# Altium PCB PROC114E3_BRD.PcbDoc (part 14 of 18)
Units mm, origin at the board's own origin, x right, y up, seen from the top; angles counter-clockwise.
Board outline 85 x 155.18 mm, 10 copper layers (TOP, L02_GND1, L03_SIG1, L04_GND2, L05_PWR1, L06_PWR2, L07_GND3, L08_SIG2, L09_GND4, BOTTOM), stack 1.134 mm thick; 1389 components, 1010 nets, 5137 pads, 3263 vias.
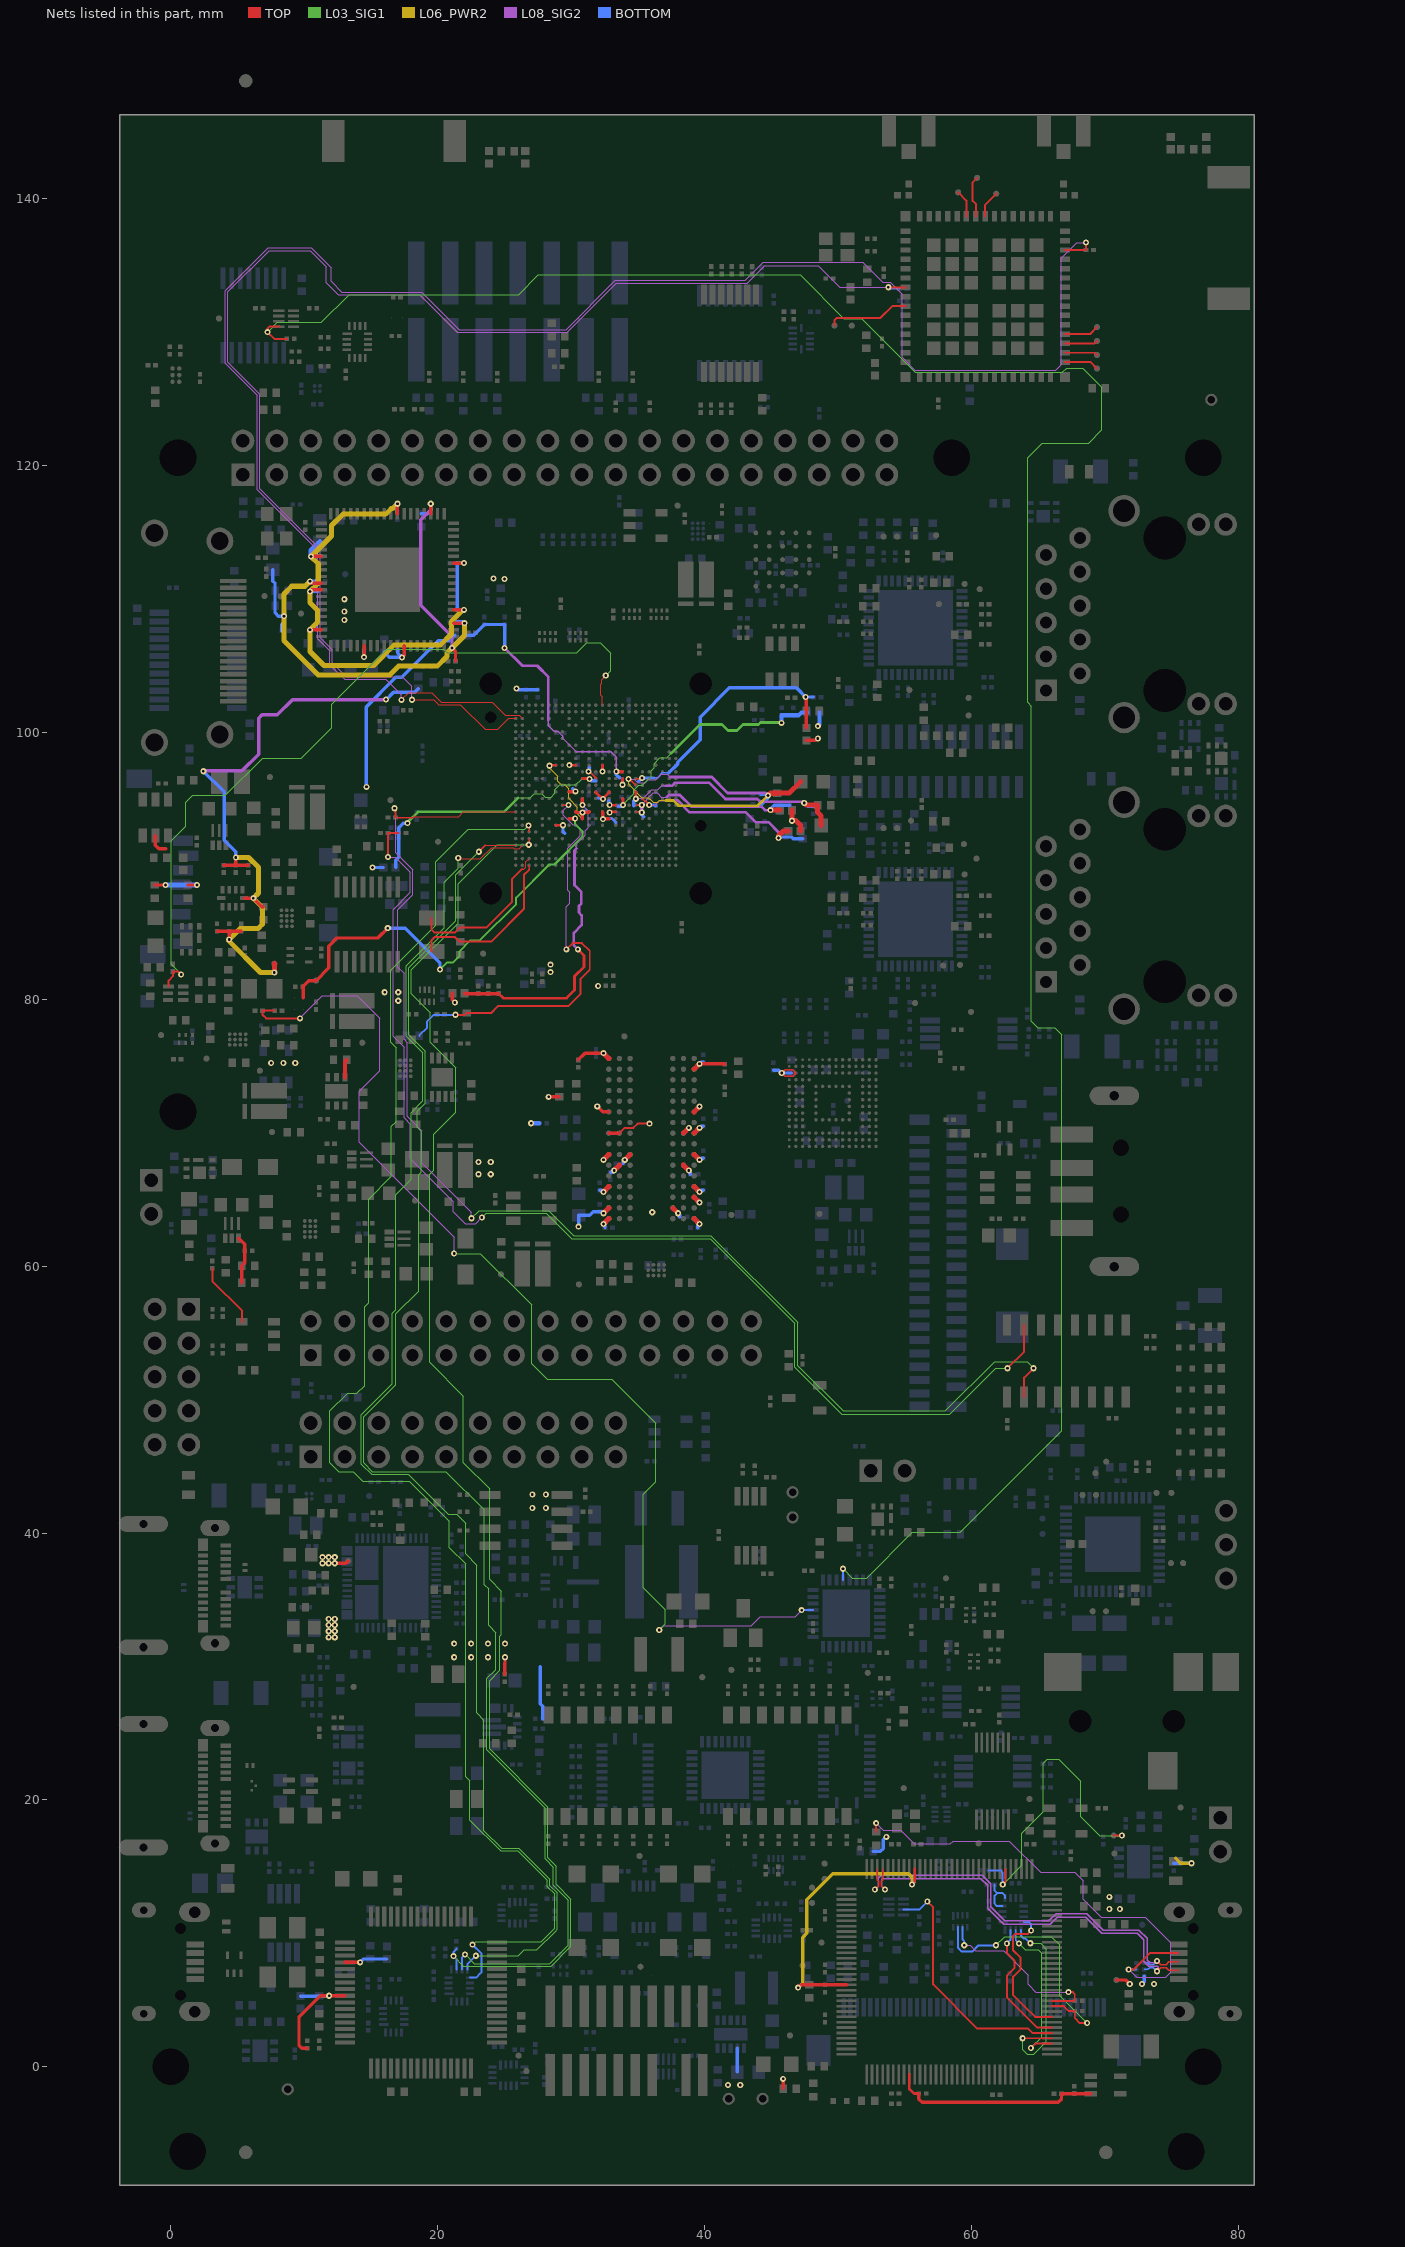
[diagram p22: the nets of this part, all layers, seen from the top]

## Via types
v1: diameter 0.457, hole 0.203, TOP to BOTTOM, 3263 vias

## Nets (pads, with @x,y where several pads share a name; then routed paths per layer and width w, separated by ;. In a path a pad name is that pad's centre, name@x,y a point inside that pad or via, vN(x,y) a via of type N, cw(c..) or ccw(c..) an arc to the next point about the centre after c; other vN are vias at no path point) (continued)
VDD_DDR4:  | length 29.8
  TOP w0.152: v1@32.396,93.509 v1(32.405,93.5) ; 33.634,69.966 34.034,70.366 34.675,70.366 34.992,70.683 v1(35.881,70.683)
  TOP w0.254: v1(28.325,72.688) 29.119,72.688 ; 30.36,94.045 30.403,94.002 v1(30.86,94.002) ; 30.547,75.459 31.054,75.966 v1(32.434,75.966) ; 30.86,93.545 v1(30.86,94.002) ; 31.361,94.045 31.331,94.016 30.874,94.016 v1(30.86,94.002) ; v1(31.97,71.979) 32.383,71.566 32.834,71.566 ; 32.36,94.045 32.396,94.009 v1@32.396,93.509 ; v1(32.405,93.5) 32.411,93.5 32.456,93.545 32.86,93.545 ; 32.834,69.966 33.634,69.966 ; v1(39.634,75.165) 41.49,75.165 41.52,75.135
  TOP w0.381: v1(32.434,63.165) 32.834,63.566 ; v1(32.434,63.966) 32.834,64.366 ; v1(32.434,65.566) 32.834,65.966 ; v1(32.434,67.966) 32.834,68.366 ; v1(32.434,75.966) 32.834,75.566 ; v1(33.234,67.165) 33.634,67.566 ; v1(34.034,67.966) 34.434,68.366 ; 37.634,64.366 v1(38.034,63.966) ; 38.434,67.566 v1(38.834,67.165) ; 38.434,69.966 v1(38.834,70.366) ; 39.234,63.566 v1(39.634,63.165) ; 39.234,65.165 v1(39.634,64.765) ; 39.234,65.966 v1(39.634,65.566) ; 39.234,68.366 v1(39.634,67.966) ; 39.234,69.966 v1(39.634,70.366) ; 39.234,71.566 v1(39.634,71.966) ; 39.234,74.765 v1(39.634,75.165)
  BOTTOM w0.203: v1(32.405,93.5) 32.411,93.5 32.456,93.545 33.066,93.545 33.361,93.25
  BOTTOM w0.254: v1(30.573,62.962) 30.573,63.812 31.391,63.812 31.664,64.085 32.159,64.085 32.314,64.085 v1(32.434,63.966) ; v1(30.86,94.002) 30.986,94.002 31.126,94.143 ; 32.159,65.685 32.314,65.685 v1(32.434,65.566) ; v1(32.434,63.165) 32.554,63.046 32.554,62.891 ; 32.96,67.046 33.114,67.046 v1(33.234,67.165) ; 33.914,67.691 33.914,67.845 v1(34.034,67.966) ; v1(38.034,63.966) 38.154,63.845 38.154,63.691 ; v1(38.834,67.165) 38.954,67.046 38.954,66.891 ; 39.514,62.891 39.514,63.046 v1(39.634,63.165) ; v1(39.634,65.566) 39.754,65.685 39.908,65.685 ; v1(39.634,67.966) 39.754,68.085 39.908,68.085 ; v1(39.634,70.366) 39.754,70.486 39.908,70.486 ; v1(39.634,75.165) 39.754,75.286 39.908,75.286
  BOTTOM w0.305: v1(27.017,70.709) 27.626,70.709
  other v1: 36.095,64.044 23.077,66.888 23.992,66.888 23.077,67.803 23.992,67.803 32.041,80.99 28.471,82.037 28.471,82.596
VDD_MMC1:  | length 1.6
  TOP w0.254: -1.143,92.265 -1.143,91.54 -0.875,91.272 -0.367,91.272
VDD_MMC1_SD:  | length 3.9
  TOP w0.254: -1.19,88.567 v1(-0.39,88.567) ; 1.274,88.567 v1(1.973,88.567)
  BOTTOM w0.381: v1(-0.39,88.567) 0.741,88.567 v1(1.973,88.567)
VDDA1V8:  | length 1.3
  TOP w0.305: 13.075,74.154 13.075,75.347 13.183,75.456
VDDA_1V8:  | length 27.8
  TOP w0.203: v1(28.391,97.503) 28.429,97.503 28.471,97.545 28.86,97.545 ; 28.86,93.045 v1(29.403,93.045) ; v1(32.901,94.002) 33.008,94.002 33.051,94.045 33.361,94.045
  TOP w0.254: 21.114,80.452 21.114,79.95 v1(21.298,79.766) ; 47.642,99.408 48.358,99.408 v1(48.503,99.553)
  TOP w0.381: 46.565,94.172 v1(46.565,93.384) 46.873,93.384 47.21,93.048 47.21,92.619
  L06_PWR2 w0.081: v1(28.391,97.503) 28.391,97.338 29.01,96.719 29.01,96.357 29.271,96.096 29.519,96.096 29.821,95.794 29.821,95.06 30.472,94.408 30.472,93.89 30.828,93.534
  BOTTOM w0.254: v1(14.67,95.921) 14.65,95.94 14.65,101.905 16.873,104.128 17.328,104.128 20.064,106.863 20.894,106.863 21.307,107.276 ; v1(15.127,89.875) 15.937,89.875 ; v1(29.403,93.045) 29.403,92.568 29.542,92.429
  BOTTOM w0.305: v1(48.503,100.467) 48.621,100.586 48.621,101.507
  other v1: 17.054,79.893 16.038,80.528 17.054,80.528
VDDA_1V8_CSIRX:  | length 20.2
  TOP w0.102: 34.86,96.545 35.275,96.545 v1(35.317,96.587)
  TOP w0.254: v1(47.588,102.652) 47.616,102.652 47.642,102.626 47.642,101.608 47.642,100.328
  BOTTOM w0.102: 36.206,96.587 36.225,96.606 36.488,96.606 36.844,96.962 37.327,96.962
  BOTTOM w0.254: 35.065,96.341 35.311,96.587 v1(35.317,96.587) 36.206,96.587 ; 37.327,96.962 37.998,97.634 37.998,97.765 39.676,99.442 39.676,101.14 41.873,103.337 46.902,103.337 v1(47.588,102.652) 48.172,102.652
VDDA_1V8_MCU:  | length 24.8
  TOP w0.203: 24.578,80.429 24.927,80.081 29.666,80.081 30.265,80.681 30.265,81.727 30.972,82.433 30.972,83.285 v1(30.515,83.743)
  TOP w0.254: 22.034,80.452 22.056,80.429 23.054,80.429 23.816,80.429 24.578,80.429 ; v1(30.86,94.561) 30.85,94.572 30.85,95.034 30.86,95.045
  L08_SIG2 w0.081: 30.409,91.298 30.409,91.632 31.056,92.278 31.056,92.632 31.279,92.855 31.279,94.143 v1(30.86,94.561)
  L08_SIG2 w0.203: 30.409,91.298 30.265,91.154 30.265,88.555 30.779,88.041 30.779,87.186 30.596,87.003 30.596,86.497 30.799,86.294 30.799,85.557 30.215,84.973 30.215,84.043 v1(30.515,83.743)
VDDA_1V8_OLDI:  | length 15
  TOP w0.102: 34.86,94.045 35.243,94.045 35.286,94.002 v1(35.308,94.002) ; 34.86,94.545 35.287,94.545 v1(35.302,94.561)
  TOP w0.381: v1(44.959,94.172) 45.645,94.172
  L08_SIG2 w0.081: 35.682,94.94 35.682,94.991 36.171,95.48 36.454,95.48 36.775,95.159 37.187,95.159
  L08_SIG2 w0.091: v1(35.302,94.561) 35.682,94.94
  L08_SIG2 w0.203: 37.187,95.159 37.339,95.311 38.152,95.311 39.028,94.435 44.265,94.435 44.527,94.172 v1(44.959,94.172)
  L08_SIG2 w0.254: v1(35.302,94.561) 35.302,94.007 v1(35.308,94.002)
  BOTTOM w0.254: v1(35.308,94.002) 35.308,93.815 35.448,93.674 ; v1(44.959,94.172) 44.959,94.285 45.228,94.554 45.651,94.554 46.413,94.554
VDDA_1V8_USB:  | length 15.4
  TOP w0.102: 35.361,95.045 35.575,94.83 35.592,94.83 v1(35.861,94.561)
  TOP w0.381: v1(45.556,92.095) 45.556,92.238 45.937,92.619 46.29,92.619
  L08_SIG2 w0.081: v1(35.861,94.561) 36.289,94.561 36.626,94.897 37.504,94.897
  L08_SIG2 w0.203: 37.504,94.897 38.017,94.897 38.899,94.016 43.108,94.016 43.844,93.279 44.795,93.279 45.556,92.518 v1(45.556,92.095)
  BOTTOM w0.254: v1(35.861,94.561) 36.31,94.561 36.362,94.509 36.371,94.509 ; v1(45.556,92.095) 45.622,92.161 46.102,92.161 46.547,92.161 46.674,92.034 47.365,92.034
VDDA_CORE_CSI:  | length 28.6
  TOP w0.102: v1(34.316,96.502) 34.403,96.502 34.86,96.045
  TOP w0.381: v1(44.769,95.274) 44.939,95.445 45.456,95.445 45.467,95.456 46.365,95.456 47.213,96.304
  L06_PWR2 w0.081: v1(34.316,96.502) 34.316,96.112 35.32,95.108 35.803,95.108 35.999,94.911 36.007,94.911 36.166,94.752 36.17,94.752 36.173,94.75 36.511,94.75 36.666,94.905 37.098,94.905
  L06_PWR2 w0.203: 37.098,94.905 37.682,94.905 38.079,94.507 43.991,94.507 44.757,95.274 v1(44.769,95.274)
  L08_SIG2 w0.081: v1(34.316,96.502) 34.738,96.502 35.004,96.237 35.576,96.237 35.778,96.439 36.341,96.439 36.754,96.851 37.234,96.851 37.428,96.657
  L08_SIG2 w0.203: 37.428,96.657 40.552,96.657 41.746,95.463 44.58,95.463 v1(44.769,95.274)
  BOTTOM w0.254: 44.21,94.617 44.289,94.617 44.769,95.096 v1(44.769,95.274) 44.676,95.367 44.221,95.367 44.21,95.379
VDDA_CORE_USB:  | length 18.3
  TOP w0.203: v1(34.86,95.029) 34.86,95.545
  TOP w0.381: v1(47.487,94.716) 47.656,94.547 48.491,94.547 48.491,94.002 48.745,93.748 48.745,93.025
  L08_SIG2 w0.081: v1(34.86,95.029) 34.899,95.067 35.42,95.067 36.06,95.707 36.51,95.707 36.8,95.997 37.073,95.997
  L08_SIG2 w0.203: 37.073,95.997 37.581,95.997 37.817,96.233 40.342,96.233 41.568,95.006 43.981,95.006 44.185,94.803 47.4,94.803 v1(47.487,94.716)
  BOTTOM w0.254: 34.714,94.501 34.714,94.882 v1(34.86,95.029) ; v1(47.487,94.716) 47.729,94.473 48.147,94.473
VDDA_PLL0:  | length 18.9
  TOP w0.254: 33.86,95.045 33.903,95.002 v1(33.903,94.561)
  L03_SIG1 w0.081: v1(33.903,94.561) 33.903,94.606 34.715,95.418 34.715,95.671 35.091,96.048 35.345,96.048 36.014,96.716 36.014,97.145 36.227,97.358 36.227,97.666 36.666,98.105 37.174,98.105 37.504,98.435
  L03_SIG1 w0.203: 37.504,98.435 39.663,100.594 41.314,100.594 41.772,100.137 42.432,100.137 42.889,100.594 44.058,100.594 44.21,100.747 45.759,100.747 v1(45.785,100.721)
  BOTTOM w0.254: 33.533,94.482 33.781,94.482 33.86,94.561 v1(33.903,94.561)
  BOTTOM w0.305: v1(45.785,100.721) 45.785,101.286 46.674,101.286 47.06,101.286 47.281,101.507 47.701,101.507
VDDA_PLL1:  | length 21
  TOP w0.254: v1(33.402,97.065) 33.422,97.045 33.86,97.045
  L08_SIG2 w0.114: 28.303,100.92 28.303,100.526 28.739,100.089 29.02,100.089 29.371,99.739 29.371,99.574 30.409,98.536 33.022,98.536 33.402,98.156 v1(33.402,97.065)
  L08_SIG2 w0.203: v1(25.025,106.334) 26.361,104.998 27.472,104.998 28.303,104.167 28.303,100.92
  BOTTOM w0.254: 22.227,107.276 22.724,107.276 23.501,108.054 23.501,108.088 25.025,108.088 v1(25.025,106.334) ; v1(33.402,97.065) 33.402,96.833 33.649,96.586
VDDA_PLL2:  | length 20.4
  TOP w0.203: 30.86,96.545 31.353,96.545 v1(31.393,96.505)
  L03_SIG1 w0.081: 26.024,95.093 26.948,95.093 27.253,95.397 27.817,95.397 28.06,95.154 28.506,95.154 28.792,95.44 28.792,95.717 29.158,96.083 30.37,96.083 30.791,96.505 v1(31.393,96.505)
  L03_SIG1 w0.203: v1(17.75,93.201) 17.75,93.267 18.528,94.045 24.976,94.045 26.024,95.093
  BOTTOM w0.254: 16.857,89.875 16.857,90.412 17.081,90.636 17.081,92.104 17.081,92.866 17.417,93.201 v1(17.75,93.201) ; v1(31.393,96.505) 31.519,96.379 31.859,96.379
VDDA_SYS_MON:  | length 32.1
  TOP w0.102: 29.361,94.545 29.803,94.545 v1(29.82,94.561)
  TOP w0.147: v1(21.35,78.839) 22.038,78.839 22.173,78.974 24.012,78.974 24.525,79.487 29.783,79.487 30.723,80.427 30.723,81.531 31.408,82.217 31.408,83.627 30.824,84.211 30.12,84.211 v1(29.651,83.743)
  L08_SIG2 w0.091: v1(29.651,83.743) 29.651,86.924 29.922,87.196 29.922,88.008 29.757,88.174 29.757,91.331 30.7,92.273 30.7,92.768 30.382,93.086 30.141,93.086 29.427,93.799 29.427,94.169 v1(29.82,94.561)
  BOTTOM w0.147: 18.64,77.252 18.64,77.29 19.216,77.867 19.216,78.344 19.712,78.839 v1(21.35,78.839)
VDDC_1V2:  | length 21.8
  TOP w0.203: v1(55.558,13.656) 55.758,13.856 55.758,14.837
  TOP w0.254: v1(47.029,5.928) 47.238,6.137 47.868,6.137 49.036,6.137 50.658,6.137
  L06_PWR2 w0.254: v1(47.029,5.928) 47.36,6.259 47.36,9.688 47.664,9.992 47.664,12.507 49.62,14.463 55.304,14.463 55.558,14.209 v1(55.558,13.656)
  BOTTOM w0.254: v1(55.558,13.656) 55.741,13.84 55.741,14.228
VDDIM:  | length 3.9
  TOP w0.102: v1(45.8,74.472) 46.05,74.222 46.61,74.222 46.86,74.472 46.61,74.722 46.05,74.722 v1(45.8,74.472)
  BOTTOM w0.254: 45.175,74.683 45.589,74.683 v1(45.8,74.472) 46.499,74.472
VDDR_CORE:  | length 7.7
  TOP w0.152: v1(31.317,97.065) 31.408,97.065 31.86,96.612 31.86,96.545
  TOP w0.203: v1(29.88,97.545) 30.36,97.545 ; 31.86,95.545 31.86,95.494 31.941,95.413 v1(32.402,95.016) 32.415,95.048 32.86,95.493 32.86,95.545 ; v1(32.36,97.065) 32.36,97.545 ; v1(32.901,94.561) 32.917,94.545 33.361,94.545 ; v1(33.86,96.082) 33.86,96.545
  TOP w0.254: 29.86,95.545 30.299,95.545 v1(30.342,95.588)
  BOTTOM w0.254: v1(25.925,103.297) 26.031,103.19 26.631,103.19 27.52,103.19 ; 30.136,95.784 30.146,95.784 v1(30.342,95.588) ; v1(31.317,97.065) 31.368,97.116 31.368,97.362 ; 32.071,95.117 32.377,95.117 v1(32.402,95.016) ; 32.833,94.889 32.833,94.629 v1(32.901,94.561)
  other v1: 7.532,75.232 8.447,75.232 9.336,75.232 13.019,108.429 13.019,109.064 13.019,109.979 25.019,111.506 24.191,111.537
VDDR_CORE_EN:  | length 4.9
  TOP w0.147: 3.129,59.836 3.129,58.884 5.332,56.681 5.332,55.831
VDDR_CORE_FB:  | length 3.6
  TOP w0.254: 5.085,62.099 5.555,61.629 5.555,61.169 5.555,60.241 5.339,60.024 5.339,58.754
VDDSHV_SDIO:  | length 49.1
  TOP w0.254: 3.472,85.099 4.387,85.099 ; 3.972,90.054 4.887,90.054 ; v1(4.387,84.487) 4.387,85.099 ; v1(4.887,90.634) 4.887,90.054 ; 5.301,85.099 4.387,85.099 ; 5.497,87.577 v1(6.195,87.577) 6.827,86.945 6.93,86.945 ; 5.801,90.054 4.887,90.054
  TOP w0.381: v1(7.774,82.005) 7.774,82.666
  L06_PWR2 w0.381: v1(4.887,90.634) 5.834,90.634 6.58,89.888 6.58,87.961 v1(6.195,87.577) 6.872,86.9 6.872,85.621 6.542,85.291 5.191,85.291 v1(4.387,84.487) 4.387,84.359 6.741,82.005 v1(7.774,82.005)
  L08_SIG2 w0.254: v1(2.452,97.089) 2.478,97.114 5.348,97.114 6.591,98.358 6.591,101.077 6.846,101.331 8.002,101.331 9.132,102.461 v1(16.14,102.461)
  BOTTOM w0.254: v1(2.452,97.089) 4.002,95.54 4.002,91.933 4.887,91.048 v1(4.887,90.634) ; v1(16.14,102.461) 16.7,103.021 18.293,103.021 18.556,103.284
VHDMI_AVCC_1V2:  | length 4.6
  TOP w0.254: v1(14.495,105.639) 14.495,106.49 ; v1(17.337,105.623) 17.495,105.781 17.495,106.49
  BOTTOM w0.254: v1(14.495,105.639) 14.495,106.21 ; 15.995,106 16.371,105.623 v1(17.337,105.623) 17.011,105.949 17.011,106.21
VHDMI_CVCC_1V2:  | length 44.2
  TOP w0.254: v1(10.444,107.69) 11.295,107.69 ; v1(10.444,110.559) 10.575,110.69 11.295,110.69 ; v1(10.522,113.19) 11.295,113.19 ; 16.995,116.39 v1(16.995,117.139) ; 21.195,109.19 v1(21.982,109.19) ; 21.195,112.69 v1(21.984,112.69)
  L06_PWR2 w0.381: v1(16.995,117.139) 16.626,116.771 16.525,116.771 16.111,116.357 12.907,116.357 12.049,115.499 12.049,114.717 v1(10.522,113.19) 11.063,112.649 11.063,111.178 v1(10.444,110.559) 10.444,109.722 11.012,109.154 11.012,108.258 v1(10.444,107.69) 10.444,106.065 11.495,105.014 15.203,105.014 16.727,106.538 20.213,106.538 21.052,107.377 21.052,108.327 21.915,109.19 v1(21.982,109.19)
  BOTTOM w0.254: v1(10.444,107.69) 10.495,107.741 11.015,107.741 ; v1(10.444,110.559) 10.448,110.563 11.015,110.563 ; v1(10.522,113.19) 11.295,113.19 ; 16.995,116.492 v1(16.995,117.139) ; v1(21.982,109.19) 21.474,109.19 21.474,112.69 v1(21.984,112.69)
  BOTTOM w0.381: v1(10.522,113.19) 10.522,113.639 11.18,114.297
VHDMI_IOVCC_3V3:  | length 46.1
  TOP w0.254: v1(10.444,111.321) 10.575,111.19 11.295,111.19 ; v1(19.493,117.139) 19.494,117.138 19.494,116.39 ; v1(21.082,106.334) 21.351,106.065 21.351,105.344 ; 21.195,108.19 v1(22.014,108.19)
  L06_PWR2 w0.381: v1(10.444,111.321) 10.075,110.953 9.077,110.953 8.49,110.366 v1(8.49,108.715) 8.49,106.875 11.063,104.303 16.422,104.303 17.083,104.963 19.98,104.963 20.714,105.696 20.714,105.965 v1(21.082,106.334) 22.014,107.265 v1(22.014,108.19)
  L08_SIG2 w0.254: v1(19.493,117.139) 19.493,116.682 18.754,115.943 18.754,109.528 21.082,107.2 v1(21.082,106.334)
  BOTTOM w0.254: 7.665,112.191 7.665,111.33 7.822,111.173 7.822,110.627 7.822,109.484 7.822,108.965 8.073,108.715 v1(8.49,108.715) 8.49,108.258 8.319,108.087 8.319,107.63 ; v1(10.444,111.321) 11.011,111.321 11.015,111.325 ; 18.773,116.397 19.241,116.397 19.493,116.65 v1(19.493,117.139) ; 21.474,108.317 21.887,108.317 v1(22.014,108.19)
VMAIN:  | length 8.1
  TOP w0.254: v1(12.295,37.738) 13.143,37.738 13.31,37.905 ; 25.049,29.414 25.049,30.227 25.058,30.236 v1(25.058,30.693)
  BOTTOM w0.254: 27.71,29.97 27.71,27.205 27.889,27.025 27.889,26.081 ; 42.475,-0.396 42.475,1.373
  other v1: 41.772,-1.361 42.686,-1.361 21.248,30.693 22.518,30.693 23.788,30.693 21.248,31.709 22.518,31.709 23.788,31.709 25.058,31.709 11.838,32.185 12.295,32.185 11.838,32.642 12.295,32.642 11.838,33.1 12.295,33.1 11.838,33.557 12.295,33.557 11.381,37.738 11.838,37.738 11.381,38.195 11.838,38.195 12.295,38.195 27.103,41.869 28.119,41.869 27.103,42.885 28.119,42.885
VPHY_3V3_FT4232:  | length 3.3
  TOP w0.254: 13.059,7.823 v1(14.198,7.823)
  BOTTOM w0.254: v1(14.198,7.823) 14.454,8.079 14.947,8.079 16.217,8.079
VPLL_3V3_FT4232:  | length 9.1
  TOP w0.254: 10.25,1.381 9.844,1.381 9.615,1.61 9.615,3.719 11.219,5.323 v1(11.878,5.323) 13.059,5.323
  BOTTOM w0.254: 9.732,5.293 11.099,5.293 11.129,5.323 v1(11.878,5.323)
VPP_1V8:  | length 32.8
  TOP w0.254: 9.942,80.098 9.942,80.882 9.89,80.935 10.352,81.396 10.895,81.396 11.85,82.352 11.85,83.983 12.46,84.592 15.533,84.592 v1(16.27,85.329) ; 29.86,93.545 v1(30.318,93.545)
  L03_SIG1 w0.152: v1(20.182,82.23) 20.715,82.763 21.172,82.763 21.629,83.221 21.629,83.576 22.466,84.412 23.177,84.412 25.897,87.132 25.897,87.615 28.386,90.104 28.767,90.104 30.875,92.212 30.875,92.568 30.318,93.125 v1(30.318,93.545)
  BOTTOM w0.254: v1(16.27,85.329) 17.591,85.329 20.182,82.738 v1(20.182,82.23)
VPP_LDO_EN:  | length 84.6
  TOP w0.147: 7.792,79.155 6.883,79.155 6.883,78.84 7.151,78.572 v1(9.691,78.572)
  L03_SIG1 w0.091: v1(21.246,60.945) 23.205,60.945 27.051,57.099 27.051,52.68 28.209,51.521 33.053,51.521 36.351,48.223 36.351,43.841 35.433,42.922 35.433,35.915 37.084,34.264 37.084,33.194 v1(36.615,32.725)
  L08_SIG2 w0.091: v1(9.691,78.572) 9.691,78.595 11.356,80.26 13.974,80.26 15.651,78.582 15.651,74.626 14.141,73.116 14.141,69.271 21.246,62.166 v1(21.246,60.945) ; v1(36.615,32.725) 36.946,33.056 43.52,33.056 44.19,33.726 46.795,33.726 v1(47.291,34.221)
  BOTTOM w0.147: v1(47.291,34.221) 48.142,34.221
VSEL_SD:  | length 58.2
  TOP w0.081: 32.36,102.045 32.36,102.665 32.238,102.787 32.238,103.614 32.301,103.677 32.301,103.962 v1(32.609,104.271)
  TOP w0.147: -0.155,80.952 -0.155,81.405 0.168,81.728 0.168,82.081 0.571,82.081 v1(0.787,81.864)
  L03_SIG1 w0.091: v1(0.787,81.864) 0.039,82.612 0.039,91.88 1.132,92.972 1.132,94.769 1.644,95.282 4.107,95.282 6.899,98.074 9.772,98.074 12.056,100.358 12.056,102.099 16.18,106.223 20.472,106.223 20.717,105.978 30.44,105.978 31.188,106.726 32.18,106.726 32.965,105.942 32.965,104.626 v1(32.609,104.271)
WKUP_I2C0_SCL:  | length 88.2
  TOP w0.147: v1(16.295,90.663) 16.295,92.46 17.082,92.46 ; v1(62.713,52.349) 63.958,53.595 63.958,55.593
  L03_SIG1 w0.091: v1(23.318,63.65) 23.636,63.967 28.157,63.967 30.065,62.06 40.428,62.06 46.761,55.726 46.761,52.426 50.292,48.895 58.398,48.895 61.853,52.349 v1(62.713,52.349)
  L08_SIG2 w0.091: v1(16.295,90.663) 16.839,90.663 17.967,89.535 17.967,88.016 16.678,86.727 16.678,77.225 17.489,76.413 17.489,71.105 17.972,70.622 17.972,68.057 21.186,64.843 21.186,64.081 22.084,63.183 22.851,63.183 v1(23.318,63.65)
WKUP_I2C0_SDA:  | length 98.6
  TOP w0.081: 18.276,93.685 21.579,93.685 21.938,94.045 25.861,94.045
  TOP w0.147: v1(16.778,94.32) 16.855,94.244 16.855,93.628 16.878,93.605 18.196,93.605 18.276,93.685 ; 63.958,50.193 63.958,51.639 v1(64.668,52.349)
  L03_SIG1 w0.091: v1(22.544,63.589) 23.115,64.16 28.345,64.16 30.215,62.291 40.482,62.291 46.99,55.783 46.99,52.553 50.394,49.149 58.064,49.149 61.747,52.832 64.186,52.832 v1(64.668,52.349)
  L08_SIG2 w0.091: v1(16.778,94.32) 16.881,94.217 16.881,90.992 18.16,89.713 18.16,87.854 17.029,86.723 17.029,82.411 17.494,81.946 17.494,76.992 17.743,76.743 17.743,71.232 18.835,70.14 18.835,67.752 22.544,64.044 v1(22.544,63.589)
WKUP_LFOSCO_XI:  | length 11.8
  TOP w0.081: 26.318,89.763 26.477,89.763 26.609,89.895 26.609,90.193 26.611,90.194 26.611,90.295 26.86,90.545
  TOP w0.147: 19.552,86.096 19.552,85.222 19.775,84.999 21.299,84.999 21.673,85.372 21.711,85.372 23.654,85.372 25.566,87.284 25.566,89.012 26.318,89.763
WKUP_LFOSCO_XO:  | length 12.5
  TOP w0.102: 26.86,89.722 26.86,90.045
  TOP w0.147: 19.552,83.596 19.552,84.445 19.775,84.668 21.299,84.668 21.648,84.32 21.711,84.32 24.025,84.32 26.481,86.776 26.481,89.342 26.86,89.722
WKUP_UART0_CTS_3V3:  | length 113
  TOP w0.102: v1(26.82,93.026) 26.86,92.986 26.86,92.545
  L03_SIG1 w0.091: v1(22.62,9.154) 22.851,9.385 27.79,9.385 28.772,10.367 28.772,12.959 28.233,13.498 28.233,13.959 26.013,16.18 24.724,16.18 22.413,18.491 22.413,21.427 22.102,21.739 22.102,37.688 20.879,38.911 20.879,40.894 17.897,43.876 14.391,43.876 13.68,44.587 12.601,44.587 11.937,45.251 11.937,49.149 13.258,50.47 13.945,50.47 14.529,51.054 14.529,56.947 14.827,57.245 14.827,65.018 16.549,66.74 16.549,70.47 16.912,70.832 16.912,76.356 16.485,76.783 16.485,82.165 19.883,85.564 19.883,90.312 22.298,92.727 26.52,92.727 v1(26.82,93.026)
  BOTTOM w0.147: 22.43,6.681 22.903,6.681 23.217,6.995 23.306,7.084 23.306,8.468 v1(22.62,9.154)
WKUP_UART0_RTS_3V3:  | length 109.7
  TOP w0.081: 23.584,91.545 25.861,91.545
  TOP w0.147: v1(23.093,91.054) 23.584,91.545
  L03_SIG1 w0.091: v1(22.061,8.418) 22.742,7.737 28.427,7.737 29.799,9.108 29.799,12.479 28.691,13.586 28.691,14.953 28.071,15.573 28.071,19.383 23.708,23.746 23.708,29.099 24.357,29.748 24.357,32.537 23.822,33.073 23.822,35.814 23.495,36.141 23.495,41.732 20.625,44.602 15.126,44.602 14.477,45.251 14.477,48.702 16.876,51.101 16.876,56.424 18.581,58.129 18.581,66.838 18.793,67.049 18.793,70.116 18.48,70.429 18.48,71.613 19.094,72.227 19.094,76.103 17.856,77.342 17.856,82.368 21.375,85.887 21.375,89.336 v1(23.093,91.054)
  BOTTOM w0.147: 21.83,7.281 21.83,8.186 v1(22.061,8.418)
WKUP_UART0_RX_3V3:  | length 106.7
  TOP w0.081: v1(21.553,90.587) 21.617,90.523 23.217,90.523 24.068,91.374 25.68,91.374 25.757,91.296 26.111,91.296 26.36,91.545
  L03_SIG1 w0.091: v1(21.553,90.587) 21.553,89.819 20.512,88.778 20.512,85.354 17.663,82.506 17.663,77.23 18.901,75.992 18.901,72.39 18.023,71.511 18.023,66.507 16.885,65.369 16.885,56.737 16.612,56.464 16.612,51.197 14.284,48.87 14.284,45.171 15.056,44.399 17.805,44.399 20.803,41.402 21.437,41.402 22.098,40.742 22.098,38.43 22.93,37.598 22.93,26.52 23.473,25.976 23.473,17.704 24.804,16.373 26.093,16.373 28.426,14.039 28.426,13.578 28.965,13.039 28.965,10.287 28.852,10.174 27.451,8.773 26.506,8.773 26.049,8.316 v1(22.874,8.316)
  BOTTOM w0.147: 22.23,7.281 22.23,7.672 v1(22.874,8.316)
WKUP_UART0_TX_3V3:  | length 106.8
  TOP w0.102: v1(26.835,91.586) 26.86,91.611 26.86,92.045
  L03_SIG1 w0.091: v1(21.198,8.291) 21.944,7.544 28.507,7.544 29.879,8.915 ; v1(26.835,91.586) 24.483,91.586 21.558,88.661 21.558,85.715 18.049,82.206 18.049,80.4 19.445,79.004 19.445,76.796 21.374,74.867 21.374,71.539 19.726,69.891 19.726,67.193 19.406,66.873 19.406,52.807 21.946,50.267 21.946,45.263 23.901,43.307 23.901,36.525 24.79,35.636 24.79,32.391 24.657,32.258 24.657,29.703 23.901,28.946 23.901,23.826 28.264,19.463 28.264,15.653 28.884,15.033 28.884,13.666 29.992,12.559 29.992,9.028 29.879,8.915
  BOTTOM w0.147: 21.418,8.846 21.418,8.818 21.198,8.598 v1(21.198,8.291) 21.43,8.058 21.43,7.281
WL_GPIO4:  | length 2
  TOP w0.147: 61.041,138.679 61.041,139.547 61.875,140.381
WL_GPIO9:  | length 2.5
  TOP w0.147: 67.016,128.454 69.255,128.454 69.418,128.291
WL_GPIO10:  | length 2.5
  TOP w0.147: 67.016,129.154 69.241,129.154 69.418,129.332
WL_GPIO11:  | length 2.6
  TOP w0.147: 67.016,127.754 68.939,127.754 69.418,127.275
WL_GPIO12:  | length 2.6
  TOP w0.147: 67.016,129.854 68.899,129.854 69.418,130.373
WL_LT_EN:  | length 177.3
  TOP w0.147: 8.103,130.413 7.405,130.413 7.258,130.265 v1(7.258,130) 7.766,129.492 8.707,129.492
  L03_SIG1 w0.091: v1(7.258,130) 7.987,130.728 11.298,130.728 13.389,132.819 26.104,132.819 27.567,134.282 47.174,134.282 50.461,130.995 51.778,130.995 55.791,126.982 66.819,126.982 67.142,127.305 68.365,127.305 69.787,125.883 69.787,122.689 68.789,121.691 65.321,121.691 64.217,120.587 64.217,102.272 64.51,101.979 64.51,78.354 64.986,77.878 66.245,77.878 66.787,77.336 66.787,47.66 59.174,40.048 55.588,40.048 52.167,36.628 51.086,36.628 v1(50.392,37.322)
  BOTTOM w0.147: 50.392,36.471 v1(50.392,37.322)
WL_RS232_RX:  | length 3.1
  TOP w0.147: 60.34,138.679 60.341,139.607 60.11,139.837 60.11,141.234 60.441,141.564
WL_RS232_TX:  | length 2.1
  TOP w0.147: 59.018,140.472 59.641,139.85 59.641,139.621 59.64,138.679
WL_UART_DEBUG:  | length 6.2
  TOP w0.147: 49.749,130.484 49.749,130.888 49.921,131.059 53.188,131.059 54.083,131.954 55.065,131.954
WLAN_EN:  | length 106.7
  TOP w0.081: v1(18.087,102.453) 19.718,102.453 20.089,102.083 21.717,102.083 23.558,100.241 24.524,100.241 25.328,101.045 25.861,101.045
  TOP w0.147: v1(53.786,133.36) 53.792,133.354 55.065,133.354
  L08_SIG2 w0.091: v1(18.087,102.453) 18.087,103.457 17.369,104.174 13.162,104.174 12.128,105.209 12.128,106.189 11.226,107.091 11.226,113.72 6.669,118.276 6.669,125.358 4.293,127.734 4.293,133.024 7.381,136.112 10.45,136.112 11.647,134.915 11.647,133.717 12.556,132.808 18.679,132.808 21.489,129.997 29.722,129.997 33.392,133.668 43.201,133.668 44.523,134.99 48.528,134.99 50.158,133.36 v1(53.786,133.36)
  BOTTOM w0.147: v1(53.786,133.36) 53.887,133.259 54.623,133.259
WLAN_IRQ:  | length 136
  TOP w0.081: v1(17.297,102.443) 17.826,102.972 19.582,102.972 20.283,102.271 24.098,102.271 25.074,101.295 26.11,101.295 26.36,101.045
  TOP w0.147: 67.016,136.154 68.593,136.154 v1(68.593,136.712)
  L08_SIG2 w0.091: v1(17.297,102.443) 17.297,102.819 16.135,103.981 13.04,103.981 11.935,105.086 11.935,106.109 11.032,107.011 11.032,113.638 6.476,118.194 6.476,125.278 4.1,127.654 4.1,133.104 7.331,136.335 10.526,136.335 12.021,134.84 12.021,133.816 12.837,133.001 18.833,133.001 21.643,130.19 29.642,130.19 33.33,133.879 43.074,133.879 44.423,135.227 51.871,135.227 53.363,133.736 53.942,133.736 54.827,132.851 54.827,128.102 55.78,127.149 66.35,127.149 66.745,127.544 66.745,135.55 67.908,136.712 v1(68.593,136.712)
XDS110_DIR:  | length 3.1
  BOTTOM w0.147: 61.746,13.649 61.746,13.207 61.939,13.014 ; 62.333,12.04 61.923,12.04 61.746,12.217 61.746,12.821 61.939,13.014 ; 62.534,12.64 62.534,12.827 62.346,13.014 61.939,13.014
XDS110_EMU0:  | length 20.2
  TOP w0.147: 66.058,4.537 66.937,4.537 67.299,4.176 67.755,4.176 67.755,3.656 68.137,3.274 v1(68.683,3.274)
  L03_SIG1 w0.091: v1(61.849,9.103) 62.499,9.754 66.013,9.754 66.624,9.143 66.624,5.332 v1(68.683,3.274)
  BOTTOM w0.147: 58.996,10.457 59.018,10.435 59.018,8.9 59.298,8.621 60.06,8.621 60.542,9.103 v1(61.849,9.103)
XDS110_EMU1:  | length 13.8
  TOP w0.147: 66.058,4.938 67.755,4.938 67.755,5.447 67.608,5.594 v1(67.288,5.594)
  L08_SIG2 w0.091: v1(59.475,9.103) 59.907,9.103 60.314,8.697 62.423,8.697 64.262,6.858 64.262,6.172 64.84,5.594 v1(67.288,5.594)
  BOTTOM w0.147: 59.346,10.457 59.346,9.538 59.475,9.408 v1(59.475,9.103)
XDS110_TCK:  | length 12.3
  TOP w0.147: v1(64.466,1.407) 64.797,1.737 66.058,1.737
  L03_SIG1 w0.091: v1(63.579,9.235) 64.047,8.767 65.02,8.767 65.278,8.509 65.278,2.219 v1(64.466,1.407)
  BOTTOM w0.147: 63.333,10.24 63.333,9.481 v1(63.579,9.235)
XDS110_TDI:  | length 10
  TOP w0.147: v1(62.665,9.235) 62.665,8.534 63.246,7.953 63.246,7.417 62.665,6.836 62.665,5.203 64.93,2.938 66.058,2.938
  BOTTOM w0.147: v1(62.665,9.235) 62.934,9.504 62.934,10.24
XDS110_TDO:  | length 18.8
  TOP w0.147: v1(56.707,12.38) 57.149,11.938 57.149,6.172 60.466,2.855 64.263,2.855 64.581,2.537 66.058,2.537
  BOTTOM w0.147: 54.921,11.781 56.107,11.781 v1(56.707,12.38)
XDS110_TMS:  | length 15.1
  TOP w0.147: v1(63.851,2.137) 66.058,2.137
  L03_SIG1 w0.091: v1(63.851,2.137) 63.851,1.274 64.2,0.925 64.682,0.925 65.634,1.876 65.634,8.814 65.191,9.256 v1(64.428,9.256)
  BOTTOM w0.147: 63.733,10.24 63.733,9.798 63.907,9.625 64.059,9.625 v1(64.428,9.256)
XDS110_TRST#:  | length 11.1
  TOP w0.147: v1(64.491,10.211) 64.237,9.957 63.297,9.957 63.144,9.804 63.144,8.712 63.703,8.153 63.703,7.315 63.144,6.756 63.144,5.359 64,4.503 64.025,4.503 64.791,3.737 66.058,3.737
  BOTTOM w0.147: 63.934,10.84 64.343,10.84 64.491,10.693 v1(64.491,10.211)
XDS_RSTN:  | length 24.2
  TOP w0.147: v1(62.358,13.656) 62.558,13.856 62.558,14.837 ; 70.678,17.329 v1(71.287,17.329)
  L03_SIG1 w0.091: v1(62.358,13.656) 63.801,15.1 63.801,17.506 65.4,19.105 65.4,22.754 65.684,23.038 66.573,23.038 68.199,21.412 68.199,18.744 69.614,17.329 v1(71.287,17.329)
  BOTTOM w0.147: 61.305,14.717 62.193,14.717 62.358,14.552 v1(62.358,13.656)
XDS_SHIELD: 
XDS_USB_DM:  | length 31.8
  TOP w0.107: 53.358,14.837 53.358,13.995 53.267,13.904 53.267,13.559 v1(53.539,13.287) ; v1(73.924,7.158) 74.196,7.43 74.604,7.43 74.819,7.214 75.54,7.214
  L08_SIG2 w0.094: v1(53.539,13.287) 53.281,13.545 53.281,14.013 53.375,14.107 60.721,14.107 61.228,13.6 61.228,11.872 62.422,10.678 65.92,10.678 66.461,11.219 68.568,11.219 69.787,10 72.448,10 72.937,9.511 72.937,7.898 73.299,7.536 73.936,7.536 74.03,7.442 74.03,7.252 73.936,7.158 v1(73.924,7.158)
  BOTTOM w0.107: 72.956,7.289 73.219,7.289 73.36,7.43 73.652,7.43 v1(73.924,7.158)
XDS_USB_DP:  | length 31.8
  TOP w0.107: v1(52.777,13.287) 53.048,13.559 53.048,13.904 52.958,13.995 52.958,14.837 ; v1(73.924,7.92) 74.196,7.648 74.604,7.648 74.82,7.864 75.54,7.864
  L08_SIG2 w0.094: v1(52.777,13.287) 53.034,13.545 53.034,14.115 53.273,14.354 60.823,14.354 61.474,13.702 61.474,11.974 62.524,10.925 65.818,10.925 66.359,11.466 68.67,11.466 69.889,10.246 72.55,10.246 73.184,9.613 73.184,8 73.401,7.783 73.786,7.783 v1(73.924,7.92)
  BOTTOM w0.107: 72.956,7.789 73.219,7.789 73.36,7.648 73.652,7.648 v1(73.924,7.92)
XDS_USB_ID:  | length 38.1
  TOP w0.147: 52.871,17.594 v1(52.871,18.26) ; v1(71.797,7.289) 72.166,7.289 73.391,8.514 75.54,8.514
  L08_SIG2 w0.091: v1(52.871,18.26) 53.392,17.739 54.7,17.739 55.742,16.698 58.43,16.698 58.649,16.916 62.864,16.916 65.19,14.59 67.756,14.59 68.391,13.955 68.391,12.558 69.737,11.212 73.039,11.212 74.969,9.281 74.969,7.097 74.563,6.69 72.396,6.69 v1(71.797,7.289)
  BOTTOM w0.147: v1(71.797,7.289) 72.356,7.289
XDS_USB_VBUS:  | length 7
  TOP w0.254: 45.904,-1.633 v1(45.904,-0.904) ; 70.872,6.501 71.572,6.501 v1(71.874,6.199)
  L06_PWR2 w0.254: 75.311,15.621 75.681,15.251 v1(76.506,15.251)
  BOTTOM w0.254: 52.658,16.139 53.189,16.139 53.405,16.355 53.405,17.003 v1(53.633,17.231) ; v1(72.789,6.199) 72.956,6.366 72.956,6.789 ; 75.173,15.251 v1(76.506,15.251)
  other v1: 73.703,6.199 70.347,11.821 71.134,11.821 70.347,12.736
XDS_VREF:  | length 15.9
  TOP w0.203: 55.358,-0.563 55.358,-1.663 55.701,-2.007 56.063,-2.007
  TOP w0.254: 56.063,-2.007 56.063,-2.42 56.313,-2.67 66.512,-2.67 66.766,-2.416 66.766,-2.011 67.705,-2.011 68.957,-2.011

## Text inside footprints (layer, text, board x,y; h text height)
R336: PIN_NUMBER "1" at 18.901,98.992 h0.25 r90; PIN_NUMBER "2" at 18.901,98.432 h0.25 r90
R337: PIN_NUMBER "2" at 18.647,98.432 h0.25 r270; PIN_NUMBER "1" at 18.647,97.873 h0.25 r270
R338: PIN_NUMBER "1" at 74.313,99.74 h0.25 r90; PIN_NUMBER "2" at 74.313,98.761 h0.25 r90
R339: PIN_NUMBER "2" at 68.893,96.394 h0.25; PIN_NUMBER "1" at 70.373,96.394 h0.25
R340: PIN_NUMBER "1" at 75.194,98.249 h0.25; PIN_NUMBER "2" at 76.174,98.249 h0.25
R341: PIN_NUMBER "2" at 76.113,78.167 h0.25 r180; PIN_NUMBER "1" at 75.133,78.167 h0.25 r180
R342: PIN_NUMBER "1" at 75.956,95.784 h0.25 r180; PIN_NUMBER "2" at 76.936,95.784 h0.25 r180
R343: PIN_NUMBER "1" at 18.226,93.456 h0.25 r270; PIN_NUMBER "2" at 18.226,94.016 h0.25 r270
R344: PIN_NUMBER "2" at 55.487,93.908 h0.25 r270; PIN_NUMBER "1" at 55.487,92.928 h0.25 r270
R345: PIN_NUMBER "1" at 54.471,93.908 h0.25 r90; PIN_NUMBER "2" at 54.471,92.928 h0.25 r90
R346: PIN_NUMBER "1" at 53.201,93.908 h0.25 r90; PIN_NUMBER "2" at 53.201,92.928 h0.25 r90
R347: PIN_NUMBER "2" at 51.677,93.908 h0.25 r270; PIN_NUMBER "1" at 51.677,92.928 h0.25 r270
R348: PIN_NUMBER "1" at 57.165,93.838 h0.25 r90; PIN_NUMBER "2" at 57.165,92.858 h0.25 r90
R349: PIN_NUMBER "1" at 52.439,91.858 h0.25 r90; PIN_NUMBER "2" at 52.439,90.878 h0.25 r90
R350: PIN_NUMBER "1" at 50.991,91.858 h0.25 r90; PIN_NUMBER "2" at 50.991,90.878 h0.25 r90
R351: PIN_NUMBER "2" at 57.647,91.62 h0.25 r270; PIN_NUMBER "1" at 57.647,91.06 h0.25 r270
R352: PIN_NUMBER "2" at 56.631,91.62 h0.25 r270; PIN_NUMBER "1" at 56.631,91.06 h0.25 r270
R353: PIN_NUMBER "1" at 54.344,91.62 h0.25 r90; PIN_NUMBER "2" at 54.344,91.06 h0.25 r90
R354: PIN_NUMBER "1" at 53.455,91.62 h0.25 r90; PIN_NUMBER "2" at 53.455,91.06 h0.25 r90
R355: PIN_NUMBER "1" at 20.08,88.966 h0.25 r270; PIN_NUMBER "2" at 20.08,89.946 h0.25 r270
R356: PIN_NUMBER "2" at 49.428,89.139 h0.25; PIN_NUMBER "1" at 50.408,89.139 h0.25
R357: PIN_NUMBER "2" at 49.428,87.641 h0.25; PIN_NUMBER "1" at 50.408,87.641 h0.25
R358: PIN_NUMBER "2" at 20.334,86.833 h0.25 r90; PIN_NUMBER "1" at 20.334,87.813 h0.25 r90
R359: PIN_NUMBER "1" at 49.428,86.752 h0.25 r180; PIN_NUMBER "2" at 50.408,86.752 h0.25 r180
R360: PIN_NUMBER "2" at 49.234,83.947 h0.25 r90; PIN_NUMBER "1" at 49.234,84.927 h0.25 r90
R361: PIN_NUMBER "2" at 61.217,82.545 h0.25 r180; PIN_NUMBER "1" at 60.657,82.545 h0.25 r180
R362: PIN_NUMBER "2" at 57.223,80.386 h0.25 r90; PIN_NUMBER "1" at 57.223,80.946 h0.25 r90
R363: PIN_NUMBER "1" at 56.207,80.386 h0.25 r270; PIN_NUMBER "2" at 56.207,80.946 h0.25 r270
R364: PIN_NUMBER "2" at 49.15,79.36 h0.25 r90; PIN_NUMBER "1" at 49.15,79.92 h0.25 r90
R365: PIN_NUMBER "2" at 47.931,79.36 h0.25 r90; PIN_NUMBER "1" at 47.931,79.92 h0.25 r90
R366: PIN_NUMBER "2" at 46.966,79.36 h0.25 r90; PIN_NUMBER "1" at 46.966,79.92 h0.25 r90
R367: PIN_NUMBER "2" at 46.001,79.36 h0.25 r90; PIN_NUMBER "1" at 46.001,79.92 h0.25 r90
R368: PIN_NUMBER "1" at 54.193,79.911 h0.25 r90; PIN_NUMBER "2" at 54.193,78.931 h0.25 r90
R369: PIN_NUMBER "2" at 63.966,79.208 h0.25 r270; PIN_NUMBER "1" at 63.966,78.648 h0.25 r270
R370: PIN_NUMBER "2" at 51.98,78.93 h0.25 r180; PIN_NUMBER "1" at 51.421,78.93 h0.25 r180
R371: PIN_NUMBER "2" at 77.092,77.913 h0.25; PIN_NUMBER "1" at 78.072,77.913 h0.25
R372: PIN_NUMBER "2" at 55.162,78.316 h0.25 r270; PIN_NUMBER "1" at 55.162,77.756 h0.25 r270
R373: PIN_NUMBER "1" at 6.796,78.016 h0.25 r90; PIN_NUMBER "2" at 6.796,77.456 h0.25 r90
R374: PIN_NUMBER "2" at 1.393,77.62 h0.25 r270; PIN_NUMBER "1" at 1.393,77.06 h0.25 r270
R375: PIN_NUMBER "1" at 17.558,77.379 h0.25 r180; PIN_NUMBER "2" at 18.538,77.379 h0.25 r180
R376: PIN_NUMBER "2" at 48.896,77.395 h0.25 r270; PIN_NUMBER "1" at 48.896,76.835 h0.25 r270
R377: PIN_NUMBER "2" at 47.677,77.395 h0.25 r270; PIN_NUMBER "1" at 47.677,76.835 h0.25 r270
R378: PIN_NUMBER "2" at 46.712,77.395 h0.25 r270; PIN_NUMBER "1" at 46.712,76.835 h0.25 r270
R379: PIN_NUMBER "2" at 45.747,77.395 h0.25 r270; PIN_NUMBER "1" at 45.747,76.835 h0.25 r270
R380: PIN_NUMBER "2" at 54.72,76.692 h0.25; PIN_NUMBER "1" at 55.28,76.692 h0.25
R381: PIN_NUMBER "2" at 0.864,76.883 h0.25 r180; PIN_NUMBER "1" at 0.305,76.883 h0.25 r180
R382: PIN_NUMBER "2" at 64.22,75.896 h0.25 r90; PIN_NUMBER "1" at 64.22,76.456 h0.25 r90
R383: PIN_NUMBER "1" at 71.555,75.243 h0.25 r180; PIN_NUMBER "2" at 72.535,75.243 h0.25 r180
R384: PIN_NUMBER "2" at 55.28,76.046 h0.25 r180; PIN_NUMBER "1" at 54.72,76.046 h0.25 r180
R385: PIN_NUMBER "2" at 55.28,75.224 h0.25 r180; PIN_NUMBER "1" at 54.72,75.224 h0.25 r180
R386: PIN_NUMBER "2" at 2.616,77.547 h0.25 r270; PIN_NUMBER "1" at 2.616,76.987 h0.25 r270
R387: PIN_NUMBER "1" at 75.934,73.926 h0.25 r180; PIN_NUMBER "2" at 76.914,73.926 h0.25 r180
R388: PIN_NUMBER "2" at 21.096,73.036 h0.25 r270; PIN_NUMBER "1" at 21.096,72.476 h0.25 r270
R389: PIN_NUMBER "2" at 9.786,72.017 h0.25 r90; PIN_NUMBER "1" at 9.786,72.577 h0.25 r90
R390: PIN_NUMBER "1" at 8.617,72.017 h0.25 r270; PIN_NUMBER "2" at 8.617,72.577 h0.25 r270
R391: PIN_NUMBER "1" at 20.021,72.299 h0.25 r90; PIN_NUMBER "2" at 20.021,71.739 h0.25 r90
R392: PIN_NUMBER "1" at 19.259,72.299 h0.25 r90; PIN_NUMBER "2" at 19.259,71.739 h0.25 r90
R393: PIN_NUMBER "2" at 49.682,71.472 h0.25 r90; PIN_NUMBER "1" at 49.682,72.032 h0.25 r90
R394: PIN_NUMBER "1" at 40.832,71.605 h0.25 r90; PIN_NUMBER "2" at 40.832,71.045 h0.25 r90
R395: PIN_NUMBER "2" at 29.346,70.86 h0.25; PIN_NUMBER "1" at 30.326,70.86 h0.25; PROC101E2 TMDS64GPEVM_B "R267" at 30.827,71.241 h0.76 r180
R396: PIN_NUMBER "2" at 47.31,70.599 h0.25 r180; PIN_NUMBER "1" at 46.75,70.599 h0.25 r180
R397: PIN_NUMBER "2" at 29.346,69.59 h0.25; PIN_NUMBER "1" at 30.326,69.59 h0.25; PROC101E2 TMDS64GPEVM_B "R261" at 30.827,69.971 h0.76 r180
R398: PIN_NUMBER "2" at 49.874,69.218 h0.25 r90; PIN_NUMBER "1" at 49.874,70.198 h0.25 r90
R399: PIN_NUMBER "2" at 48.531,69.51 h0.25 r180; PIN_NUMBER "1" at 47.551,69.51 h0.25 r180
R400: PIN_NUMBER "2" at 0.05,68.222 h0.25 r270; PIN_NUMBER "1" at 0.05,67.242 h0.25 r270
R402: PIN_NUMBER "1" at -0.176,62.562 h0.25 r270; PIN_NUMBER "2" at -0.176,63.122 h0.25 r270
R403: PIN_NUMBER "1" at 14.537,63.053 h0.25; PIN_NUMBER "2" at 13.977,63.053 h0.25
R404: PIN_NUMBER "1" at 14.537,62.291 h0.25; PIN_NUMBER "2" at 13.977,62.291 h0.25
R406: PIN_NUMBER "2" at 48.597,60.818 h0.25; PIN_NUMBER "1" at 49.577,60.818 h0.25
R407: PIN_NUMBER "1" at 39.753,61.199 h0.25 r90; PIN_NUMBER "2" at 39.753,60.639 h0.25 r90
R408: PIN_NUMBER "1" at 37.594,60.996 h0.25 r180; PIN_NUMBER "2" at 38.153,60.996 h0.25 r180
R410: PIN_NUMBER "2" at 52.465,60.107 h0.25 r270; PIN_NUMBER "1" at 52.465,59.547 h0.25 r270
R411: PIN_NUMBER "1" at 51.609,59.675 h0.25; PIN_NUMBER "2" at 50.629,59.675 h0.25
R412: PIN_NUMBER "2" at 49.577,59.802 h0.25 r180; PIN_NUMBER "1" at 48.597,59.802 h0.25 r180
R418: PIN_NUMBER "2" at 75.884,55.557 h0.25 r90; PIN_NUMBER "1" at 75.884,57.036 h0.25 r90
R420: PIN_NUMBER "2" at 37.834,51.623 h0.25; PIN_NUMBER "1" at 38.394,51.623 h0.25
R421: PIN_NUMBER "1" at 13.915,50.048 h0.25; PIN_NUMBER "2" at 12.935,50.048 h0.25
R422: PIN_NUMBER "1" at 11.241,50.302 h0.25 r180; PIN_NUMBER "2" at 11.8,50.302 h0.25 r180
R425: PIN_NUMBER "1" at 66.565,49.03 h0.25; PIN_NUMBER "2" at 66.005,49.03 h0.25
R426: PIN_NUMBER "2" at 39.885,48.773 h0.25 r270; PIN_NUMBER "1" at 39.885,47.793 h0.25 r270
R427: PIN_NUMBER "2" at 35.59,45.253 h0.25; PIN_NUMBER "1" at 36.15,45.253 h0.25
R431: PIN_NUMBER "1" at 9.531,127.916 h0.25 r180; PIN_NUMBER "2" at 8.971,127.916 h0.25 r180
R432: PIN_NUMBER "2" at 73.318,44.688 h0.25 r90; PIN_NUMBER "1" at 73.318,45.248 h0.25 r90
R433: PIN_NUMBER "2" at 72.404,44.688 h0.25 r90; PIN_NUMBER "1" at 72.404,45.248 h0.25 r90
R437: PIN_NUMBER "2" at 69.393,44.231 h0.25 r90; PIN_NUMBER "1" at 69.393,44.791 h0.25 r90
R438: PIN_NUMBER "2" at 67.728,44.702 h0.25 r270; PIN_NUMBER "1" at 67.728,44.142 h0.25 r270
R439: PIN_NUMBER "1" at 76.646,44.664 h0.25 r90; PIN_NUMBER "2" at 76.646,44.104 h0.25 r90
R440: PIN_NUMBER "1" at 75.63,44.664 h0.25 r90; PIN_NUMBER "2" at 75.63,44.104 h0.25 r90
R441: PIN_NUMBER "2" at 16.567,43.698 h0.25; PIN_NUMBER "1" at 17.126,43.698 h0.25
R442: PIN_NUMBER "1" at 14.916,43.952 h0.25 r180; PIN_NUMBER "2" at 15.475,43.952 h0.25 r180
R445: PIN_NUMBER "1" at 12.702,42.434 h0.25; PIN_NUMBER "2" at 11.722,42.434 h0.25
R446: PIN_NUMBER "1" at 63.108,42.072 h0.25 r270; PIN_NUMBER "2" at 63.108,42.632 h0.25 r270
R449: PIN_NUMBER "1" at 13.508,41.314 h0.25 r180; PIN_NUMBER "2" at 14.488,41.314 h0.25 r180
R450: PIN_NUMBER "1" at 17.196,42.027 h0.25 r90; PIN_NUMBER "2" at 17.196,41.467 h0.25 r90
R451: PIN_NUMBER "1" at 20.421,41.925 h0.25 r90; PIN_NUMBER "2" at 20.421,41.365 h0.25 r90
R452: PIN_NUMBER "1" at 19.507,41.925 h0.25 r90; PIN_NUMBER "2" at 19.507,41.365 h0.25 r90
R453: PIN_NUMBER "1" at 25.483,40.752 h0.25 r180; PIN_NUMBER "2" at 26.463,40.752 h0.25 r180
R454: PIN_NUMBER "2" at 28.233,40.658 h0.25 r270; PIN_NUMBER "1" at 28.233,39.678 h0.25 r270
R455: PIN_NUMBER "1" at 25.483,39.355 h0.25 r180; PIN_NUMBER "2" at 26.463,39.355 h0.25 r180
R457: PIN_NUMBER "1" at 21.07,39.88 h0.25 r90; PIN_NUMBER "2" at 21.07,39.32 h0.25 r90
R459: PIN_NUMBER "2" at 44.068,134.842 h0.25 r270; PIN_NUMBER "1" at 44.068,134.282 h0.25 r270
R460: PIN_NUMBER "1" at 21.845,38.966 h0.25 r90; PIN_NUMBER "2" at 21.845,38.406 h0.25 r90
R461: PIN_NUMBER "1" at 24.144,37.224 h0.25 r270; PIN_NUMBER "2" at 24.144,38.204 h0.25 r270
R464: PIN_NUMBER "1" at 21.846,37.388 h0.25; PIN_NUMBER "2" at 21.286,37.388 h0.25
R465: PIN_NUMBER "2" at 9.037,36.784 h0.25; PIN_NUMBER "1" at 10.016,36.784 h0.25
R466: PIN_NUMBER "1" at 11.584,36.678 h0.25; PIN_NUMBER "2" at 11.025,36.678 h0.25
R467: PIN_NUMBER "2" at 25.483,36.561 h0.25; PIN_NUMBER "1" at 26.463,36.561 h0.25
R468: PIN_NUMBER "1" at 21.312,36.398 h0.25 r180; PIN_NUMBER "2" at 21.871,36.398 h0.25 r180
R469: PIN_NUMBER "1" at 56.295,35.951 h0.25; PIN_NUMBER "2" at 55.735,35.951 h0.25
R470: PIN_NUMBER "1" at 11.584,35.916 h0.25; PIN_NUMBER "2" at 11.025,35.916 h0.25
R471: PIN_NUMBER "2" at 9.037,35.514 h0.25; PIN_NUMBER "1" at 10.016,35.514 h0.25
R472: PIN_NUMBER "2" at 57.118,35.801 h0.25 r270; PIN_NUMBER "1" at 57.118,35.241 h0.25 r270
R473: PIN_NUMBER "1" at 21.312,35.636 h0.25 r180; PIN_NUMBER "2" at 21.871,35.636 h0.25 r180
R474: PIN_NUMBER "1" at 55.735,35.443 h0.25 r180; PIN_NUMBER "2" at 56.295,35.443 h0.25 r180
R475: PIN_NUMBER "1" at 24.739,34.88 h0.25; PIN_NUMBER "2" at 24.18,34.88 h0.25
R477: PIN_NUMBER "2" at 63.844,34.707 h0.25; PIN_NUMBER "1" at 64.403,34.707 h0.25
R478: PIN_NUMBER "1" at 21.312,34.874 h0.25 r180; PIN_NUMBER "2" at 21.871,34.874 h0.25 r180
R479: PIN_NUMBER "1" at 74.716,34.478 h0.25; PIN_NUMBER "2" at 74.156,34.478 h0.25
R480: PIN_NUMBER "2" at 21.871,34.112 h0.25 r180; PIN_NUMBER "1" at 21.312,34.112 h0.25 r180
R481: PIN_NUMBER "2" at 59.983,33.97 h0.25 r270; PIN_NUMBER "1" at 59.983,33.411 h0.25 r270
R482: PIN_NUMBER "2" at 21.312,33.096 h0.25; PIN_NUMBER "1" at 21.871,33.096 h0.25
R483: PIN_NUMBER "1" at 17.177,31.278 h0.25 r180; PIN_NUMBER "2" at 18.157,31.278 h0.25 r180
R484: PIN_NUMBER "2" at 19.42,30.845 h0.25 r90; PIN_NUMBER "1" at 19.42,31.405 h0.25 r90
R485: PIN_NUMBER "2" at 46.842,30.466 h0.25 r180; PIN_NUMBER "1" at 45.862,30.466 h0.25 r180
R486: PIN_NUMBER "2" at 48.036,29.779 h0.25 r90; PIN_NUMBER "1" at 48.036,30.339 h0.25 r90
R487: PIN_NUMBER "1" at 58.068,29.855 h0.25 r270; PIN_NUMBER "2" at 58.068,30.414 h0.25 r270
R488: PIN_NUMBER "1" at 52.451,29.907 h0.25; PIN_NUMBER "2" at 51.891,29.907 h0.25
R489: PIN_NUMBER "2" at 51.192,27.67 h0.25 r270; PIN_NUMBER "1" at 51.192,27.11 h0.25 r270
R490: PIN_NUMBER "2" at 42.633,44.488 h0.25 r270; PIN_NUMBER "1" at 42.633,45.047 h0.25 r270
R491: PIN_NUMBER "2" at 43.548,44.488 h0.25 r270; PIN_NUMBER "1" at 43.548,45.047 h0.25 r270
R492: PIN_NUMBER "1" at 11.075,30.057 h0.25 r180; PIN_NUMBER "2" at 11.635,30.057 h0.25 r180
R494: PIN_NUMBER "1" at 14.597,30.801 h0.25; PIN_NUMBER "2" at 13.617,30.801 h0.25
R495: PIN_NUMBER "1" at 10.911,24.749 h0.25 r270; PIN_NUMBER "2" at 10.911,25.309 h0.25 r270
R497: PIN_NUMBER "2" at 12.752,28.17 h0.25 r90; PIN_NUMBER "1" at 12.752,29.15 h0.25 r90
R498: PIN_NUMBER "2" at 42.898,38.625 h0.25 r270; PIN_NUMBER "1" at 42.898,38.065 h0.25 r270
R499: PIN_NUMBER "1" at 43.812,38.065 h0.25 r270; PIN_NUMBER "2" at 43.812,38.625 h0.25 r270
R501: PIN_NUMBER "1" at 30.545,23.894 h0.25; PIN_NUMBER "2" at 29.985,23.894 h0.25
R502: PIN_NUMBER "1" at 11.089,26.21 h0.25; PIN_NUMBER "2" at 10.529,26.21 h0.25
R504: PIN_NUMBER "1" at 30.545,23.132 h0.25; PIN_NUMBER "2" at 29.985,23.132 h0.25
R506: PIN_NUMBER "1" at 30.545,22.37 h0.25; PIN_NUMBER "2" at 29.985,22.37 h0.25
R508: PIN_NUMBER "1" at 30.545,21.608 h0.25; PIN_NUMBER "2" at 29.985,21.608 h0.25
R509: PIN_NUMBER "2" at 27.605,22.047 h0.25 r90; PIN_NUMBER "1" at 27.605,22.607 h0.25 r90
R511: PIN_NUMBER "1" at 30.545,20.846 h0.25; PIN_NUMBER "2" at 29.985,20.846 h0.25
R513: PIN_NUMBER "1" at 30.545,20.084 h0.25; PIN_NUMBER "2" at 29.985,20.084 h0.25
R514: PIN_NUMBER "2" at 46.216,19.695 h0.25; PIN_NUMBER "1" at 46.776,19.695 h0.25
R515: PIN_NUMBER "2" at 14.023,19.594 h0.25 r180; PIN_NUMBER "1" at 13.463,19.594 h0.25 r180
R516: PIN_NUMBER "1" at 30.545,19.322 h0.25; PIN_NUMBER "2" at 29.985,19.322 h0.25
R517: PIN_NUMBER "2" at 76.492,19.219 h0.25 r270; PIN_NUMBER "1" at 76.492,18.659 h0.25 r270
R518: PIN_NUMBER "1" at 30.545,18.56 h0.25; PIN_NUMBER "2" at 29.985,18.56 h0.25
R519: PIN_NUMBER "2" at 73.752,18.864 h0.25 r270; PIN_NUMBER "1" at 73.752,17.884 h0.25 r270
R520: PIN_NUMBER "1" at 72.736,18.864 h0.25 r90; PIN_NUMBER "2" at 72.736,17.884 h0.25 r90
R521: PIN_NUMBER "2" at 43.327,18.425 h0.25 r180; PIN_NUMBER "1" at 42.768,18.425 h0.25 r180
R522: PIN_NUMBER "2" at 37.961,18.134 h0.25; PIN_NUMBER "1" at 38.521,18.134 h0.25
R525: PIN_NUMBER "2" at 56.387,26.543 h0.25; PIN_NUMBER "1" at 56.947,26.543 h0.25
R526: PIN_NUMBER "1" at 66.149,16.92 h0.25 r180; PIN_NUMBER "2" at 66.709,16.92 h0.25 r180
R527: PIN_NUMBER "1" at 76.746,17.099 h0.25 r90; PIN_NUMBER "2" at 76.746,16.119 h0.25 r90
R530: PIN_NUMBER "1" at 52.556,16.012 h0.25; PIN_NUMBER "2" at 51.576,16.012 h0.25
R531: PIN_NUMBER "2" at 66.149,15.904 h0.25; PIN_NUMBER "1" at 66.709,15.904 h0.25
R533: PIN_NUMBER "1" at 24.82,29.414 h0.25 r270; PIN_NUMBER "2" at 24.82,28.854 h0.25 r270
R534: PIN_NUMBER "1" at 25.883,26.513 h0.25 r180; PIN_NUMBER "2" at 25.324,26.513 h0.25 r180
R535: PIN_NUMBER "1" at 43.796,15.75 h0.25 r90; PIN_NUMBER "2" at 43.796,15.19 h0.25 r90
R537: PIN_NUMBER "2" at 40.418,15.397 h0.25 r270; PIN_NUMBER "1" at 40.418,14.837 h0.25 r270
R538: PIN_NUMBER "1" at 35.556,15.301 h0.25 r90; PIN_NUMBER "2" at 35.556,14.741 h0.25 r90
R539: PIN_NUMBER "1" at 61.965,14.717 h0.25 r270; PIN_NUMBER "2" at 61.965,15.277 h0.25 r270
R540: PIN_NUMBER "1" at 75.198,15.251 h0.25 r90; PIN_NUMBER "2" at 75.198,14.691 h0.25 r90